# Altium PCB 小车PCB.PcbDoc (part 4 of 4) (continued)
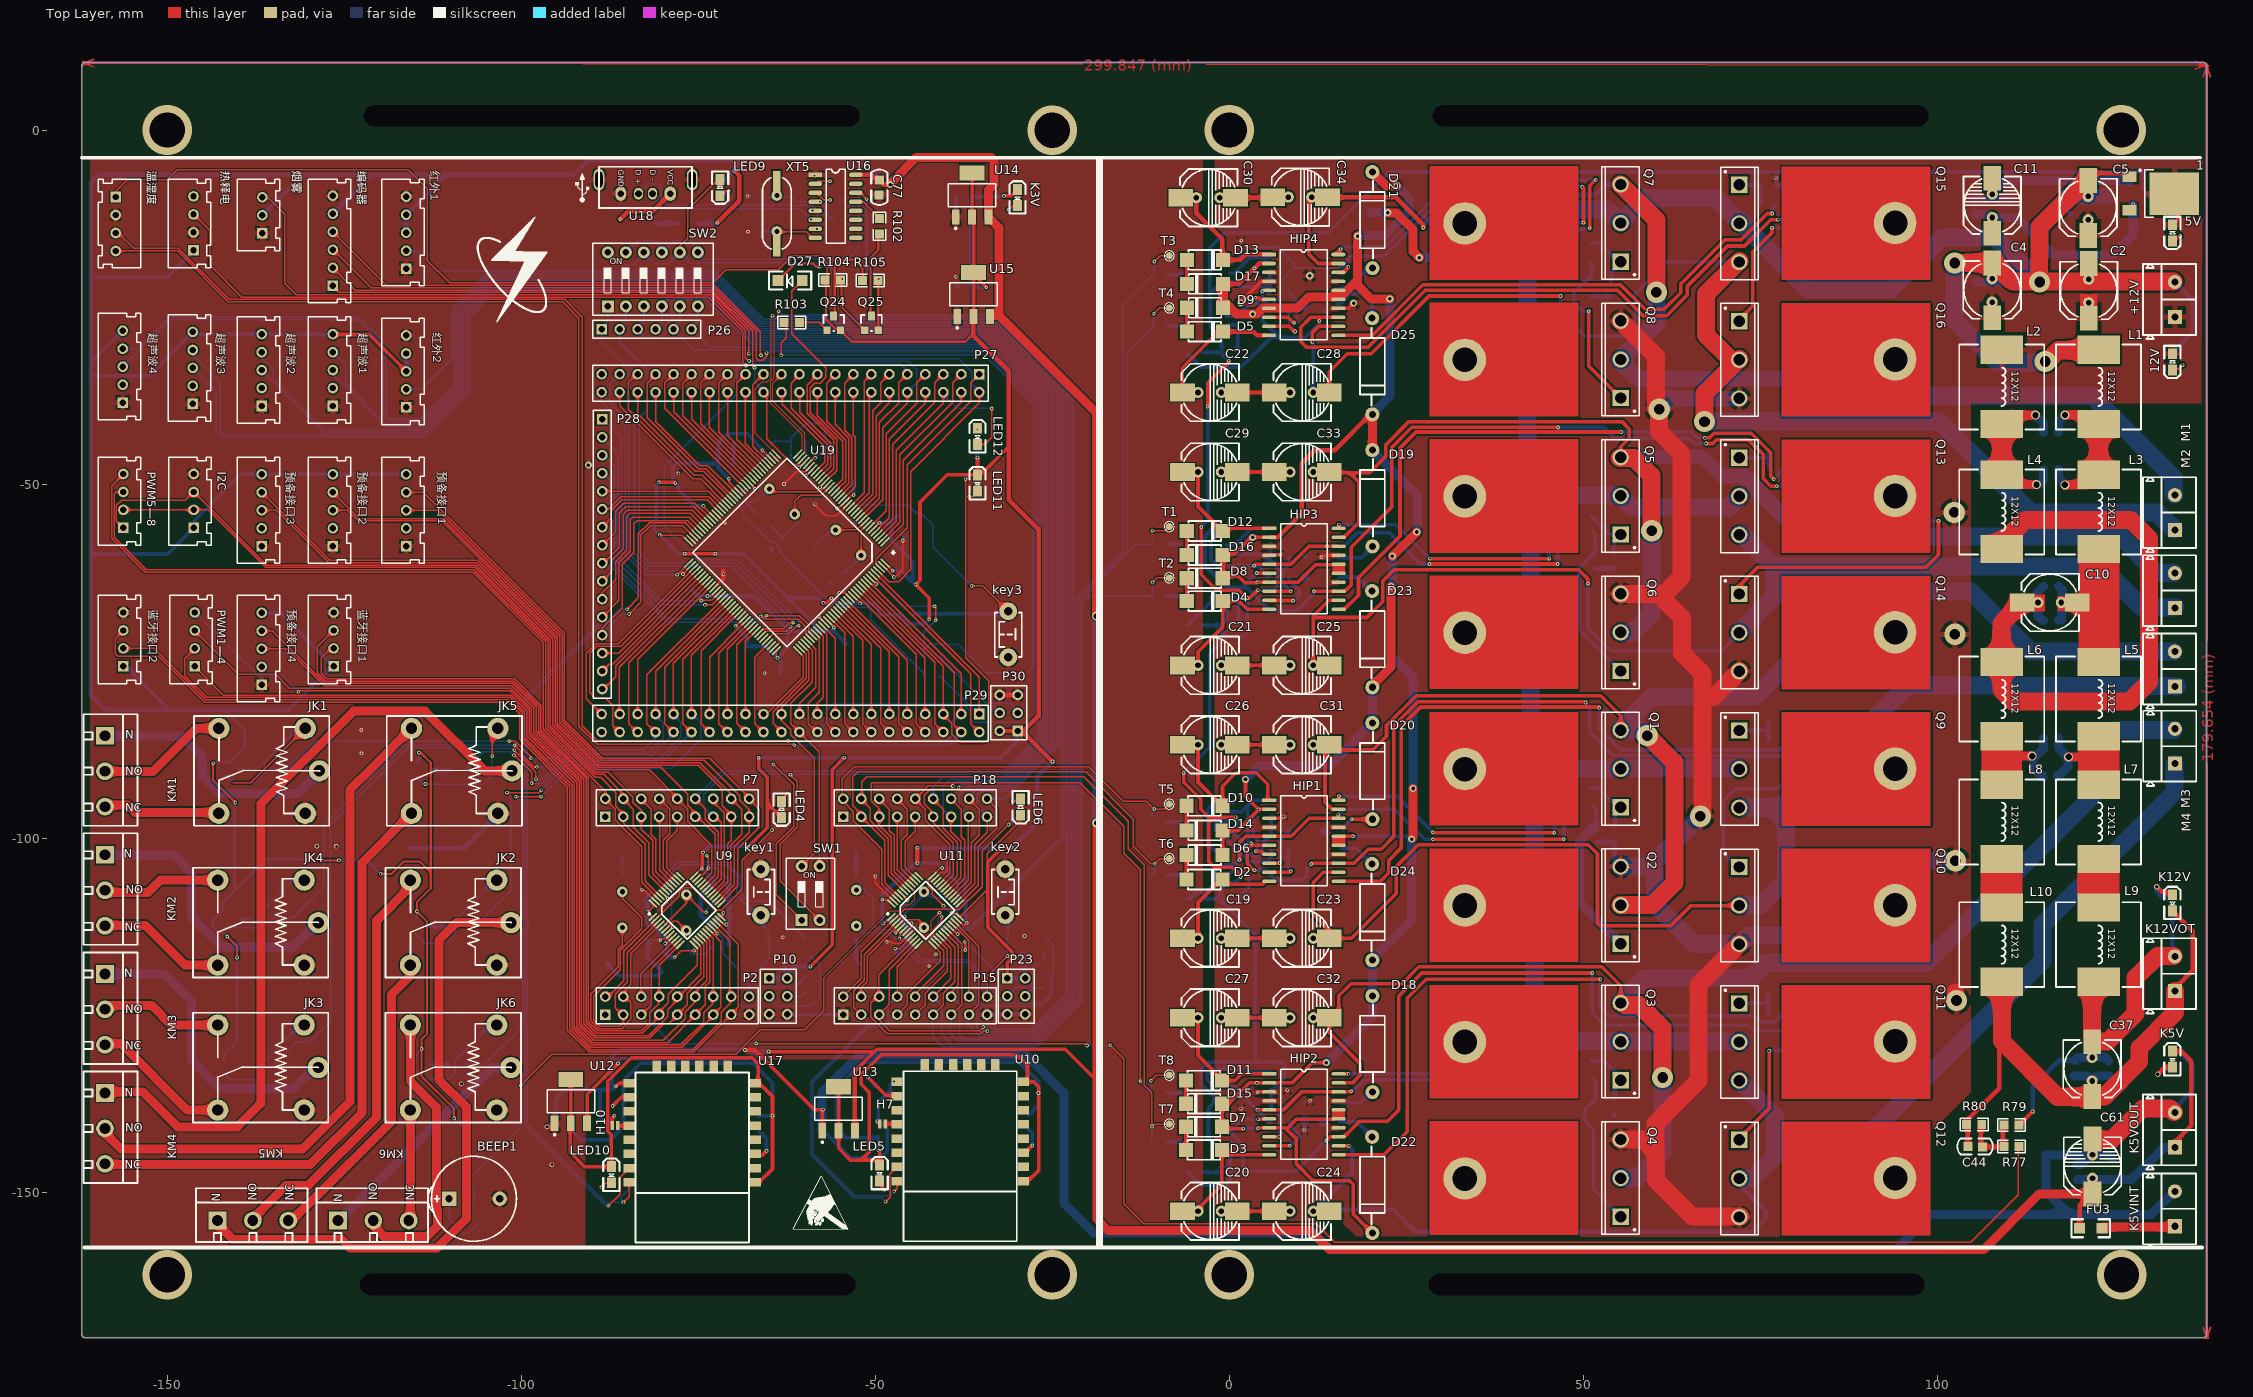
[diagram p0: Top Layer view]
## Nets (pads, with @x,y where several pads share a name; then routed paths per layer and width w, separated by ;. In a path a pad name is that pad's centre, name@x,y a point inside that pad or via, vN(x,y) a via of type N, cw(c..) or ccw(c..) an arc to the next point about the centre after c; other vN are vias at no path point) (continued)
  other v1: -48.895,-111.989 -39.167,-110.465 -24.968,-89.103
VCC5V: C61.1 C62.2 C63.2 C76.1 C77.1 FU3.2 FU4.1 K5V.1 K5VOUT.1 P1.1 P3.5 P4.5 P5.5 P6.5 P8.1 P9.1 P13.5 P14.5 P16.5 P17.5 P19.1 P20.3 P20.4 P21.3 P21.4 P22.2 P24.5@-126.594,-11.747 Q17.2 Q18.2 Q19.2 Q20.2 Q21.2 Q22.2 Q23.2 R99.2 U12.3 U13.3 U14.3 U15.3 U16.16 | length 1035.3
  Top Layer w0.203: C77.1@-49.378,-6.833 -49.225,-6.985 C77.1@-49.327,-6.985
  Top Layer w0.305: v1(-143.485,-89.332) -143.51,-89.357 -143.51,-91.745 v1(-140.36,-94.894) ; v1(-141.503,-113.817) -140.132,-115.189 v1(-140.132,-116.789) ; v1(-128.397,-102.921) -128.245,-103.073 v1(-125.73,-103.073) ; v1(-119.863,-104.978) -118.339,-104.978 -116.561,-103.2 -114.351,-103.2 -112.776,-104.775 ; v1(-114.452,-87.833) -114.224,-87.833 -112.776,-89.281 -112.776,-104.775 ; v1(-109.474,-139.522) -109.474,-138.125 -114.071,-133.528 v1(-114.071,-129.667) -114.071,-128.346 -113.284,-127.559 -113.284,-111.735 v1(-114.732,-110.287) -114.732,-108.966 -112.776,-107.01 -112.776,-104.775
  Top Layer w0.508: P13.5@-126.441,-28.677 -126.314,-28.804 -121.457,-28.804 P21.3@-116.25,-34.011 ; U12.3@-90.694,-140.193 -90.694,-136.109 v1(-86.335,-131.75) ; v1(-65.075,-130.048) -65.075,-130.099 -50.14,-130.099 ; -52.873,-132.832 -50.14,-130.099 ; -18.923,-133.985 -18.923,-133.96 -23.165,-129.718 -49.759,-129.718 -50.14,-130.099
  Top Layer w0.635: v1(-72.314,-13.03) -69.19,-9.906 -69.19,-6.35 v1(-69.875,-5.664) ; U13.3@-52.873,-141.235 -52.873,-132.832 ; U16.16@-52.222,-6.223 -50.597,-6.223 -49.835,-6.985 C77.1@-49.479,-6.985 ; C77.1@-49.428,-6.985 C77.1@-49.479,-6.985 ; v2@-47.816,-7.531 -47.904,-7.62 -48.844,-7.62 C77.1@-49.479,-6.985 ; FU3.2@120.066,-155.016 120.066,-151.841 C61.1@121.74,-150.167 ; K5V.1@133.172,-130.048 134.493,-130.048 135.865,-131.42 135.865,-140.513 K5VOUT.1@133.35,-143.027
  Top Layer w1.27: v2@-47.828,-7.417 -44.196,-3.785 -33.63,-3.785 -33.249,-4.166 -33.249,-7.62 -34.027,-8.399 U14.3@-34.027,-12.203 -32.537,-13.693 -32.537,-26.086 ; U15.3@-33.477,-26.086 -32.537,-26.086 ; v8(-18.771,-68.58) -18.771,-42.24 ; -18.771,-42.189 -18.771,-39.853 -32.537,-26.086 ; -18.72,-134.163 -18.72,-153.695 -17.069,-155.346 11.455,-155.346 14.148,-158.039 106.528,-158.039 114.399,-150.167 C61.1@121.74,-150.167 ; -18.72,-134.137 v8@-18.72,-97.942
  Top Layer w2.54: C61.1@121.74,-150.167 C61.1@121.895,-150.167
  Bottom Layer w0.305: P9.1@-155.987,-75.483 P9.1@-155.55,-75.921 ; v1(-143.485,-89.332) -143.307,-89.154 Q18.2@-142.265,-89.154 ; Q21.2@-142.316,-110.338 -143.612,-111.633 -143.612,-112.319 -142.672,-113.259 -142.062,-113.259 v1(-141.503,-113.817) ; Q21.2@-142.164,-110.367 -142.164,-109.042 -140.462,-107.34 ; Q18.2@-142.088,-89.234 -141.202,-89.234 -139.04,-87.071 -139.04,-84.684 -141.859,-81.864 ; Q20.2@-141.986,-131.246 -141.986,-130.505 -140.157,-128.676 -140.157,-116.815 v1(-140.132,-116.789) ; v1(-140.36,-94.894) -140.462,-94.996 -140.462,-107.34 ; v1(-128.397,-102.921) -128.372,-102.895 -136.017,-102.895 -140.462,-107.34 ; v1(-125.73,-103.073) -121.768,-103.073 v1(-119.863,-104.978) ; Q19.2@-114.859,-111.227 -114.732,-111.1 v1(-114.732,-110.287) ; Q22.2@-114.757,-89.23 -114.452,-88.925 v1(-114.452,-87.833) ; Q23.2@-114.732,-130.886 -114.732,-130.327 v1(-114.071,-129.667) ; v1(-109.474,-139.522) -108.153,-140.843 -108.153,-151.841 -107.576,-152.418 Q17.2@-107.576,-153.746
  Bottom Layer w0.508: -160.757,-59.792 -149.932,-59.792 P1.1@-146.255,-56.114 ; -160.706,-34.62 -152.564,-34.62 P14.5@-146.379,-28.435 ; -160.706,-34.087 -160.706,-32.686 P16.5@-156.277,-28.258 ; -160.655,-20.599 -160.553,-20.701 -149.987,-20.701 P19.1@-146.304,-17.018 ; P9.1@-155.55,-75.921 -149.657,-81.813 ; P14.5@-146.583,-28.194 -146.037,-28.74 P17.5@-136.65,-28.74 P13.5@-126.594,-28.74 ; P1.1@-146.101,-55.804 -146.101,-55.02 -145.124,-54.043 -145.124,-54.039 -139.624,-48.539 P4.5@-136.65,-48.539 ; P5.5@-136.601,-68.174 -136.532,-68.105 -134.061,-68.105 P8.1@-126.525,-75.641 ; P4.5@-136.423,-48.312 -136.195,-48.539 P6.5@-126.594,-48.539 P3.5@-116.25,-48.539 ; -132.842,-81.813 -126.67,-75.641 P8.1@-126.525,-75.641 ; P8.1@-126.494,-75.672 P8.1@-126.525,-75.641 ; P21.3@-116.789,-34.138 -116.256,-33.604 P21.4@-116.256,-31.483 ; v1(-86.335,-131.75) -85.649,-131.064 -67.945,-131.064 -66.929,-130.048 v1(-65.075,-130.048)
  Bottom Layer w0.635: P22.2@-136.55,-11.967 -130.959,-6.375 -130.708,-6.375 ; -132.842,-81.813 -149.657,-81.813 -158.699,-81.813 -160.757,-79.756 -160.757,-59.792 -160.757,-7.29 -159.741,-6.274 -110.566,-6.274 ; P24.5@-126.594,-11.747 -121.221,-6.375 -121.209,-6.375 ; P20.4@-116.256,-11.887 -116.256,-14.249 P20.3@-116.002,-14.503 ; P20.4@-116.205,-11.913 -110.566,-6.274 ; -90.678,-4.318 -92.634,-6.274 -110.566,-6.274 ; -90.678,-4.28 -68.669,-4.28 ; FU4.1@-74.828,-13.081 -72.365,-13.081 v1(-72.314,-13.03) ; R99.2@-71.882,-7.01 -71.399,-7.01 -68.669,-4.28 ; v2(-47.879,-7.62) -48.743,-7.62 -52.451,-3.912 -68.301,-3.912 -68.669,-4.28 ; C61.1@122.047,-147.803 C61.1@122.048,-147.804
  Bottom Layer w1.27: v8(-18.771,-68.58) -18.745,-68.605 v8(-18.745,-97.79) ; C63.2@119.761,-148.107 C62.2@124.638,-148.107 127.457,-148.107 131.928,-143.637 K5VOUT.1@133.604,-143.637
VDDA: C92.2 C93.2 H11.2 R112.1 U19.33 | length 14
  Top Layer w0.203: v1(-60.757,-47.574) -60.477,-47.295 U19.33@-60.427,-47.295
  Bottom Layer w0.203: R112.1@-64.745,-44.374 -64.262,-43.891 C92.2@-61.9,-43.891 ; v1(-60.757,-47.574) -60.987,-47.574 C93.2@-61.927,-46.634 -61.927,-44.046 -61.773,-43.891 C92.2@-61.9,-43.891 ; H11.2@-57.201,-41.3 -59.741,-41.3 -61.9,-43.459 C92.2@-61.9,-43.891
VREF+: C94.2 H11.1 U19.32 | length 6.2
  Top Layer w0.203: U19.32@-59.131,-46.685 -58.674,-46.228 v1(-58.496,-46.228)
  Bottom Layer w0.203: v1(-58.496,-46.228) C94.2@-56.312,-44.044 ; H11.1@-57.048,-42.037 -57.048,-43.485 C94.2@-56.464,-44.069
公共: JK1.3 JP1.1 | length 36.6
  Bottom Layer w1.27: JP1.1@-158.775,-85.475 -148.027,-85.475 -144.983,-88.519 -144.983,-91.211 -142.596,-93.599 -131.47,-93.599 JK1.3@-128.397,-90.526
公共1: JK4.3 JP4.1 | length 40.6
  Bottom Layer w1.27: JP4.1@-158.775,-102.29 -149.094,-102.29 -146.533,-104.851 -146.533,-111.074 -142.316,-115.291 -132.182,-115.291 JK4.3@-128.651,-111.76
公共2: JK3.3 JP2.1 | length 42.5
  Bottom Layer w1.27: JP2.1@-158.775,-119.104 -150.415,-119.104 -146.558,-122.961 -146.558,-131.318 -142.596,-135.28 -132.207,-135.28 JK3.3@-129.108,-132.182
公共3: JK5.3 JP5.1 | length 112.7
  Top Layer w1.27: JP5.1@-158.826,-135.738 -153.467,-135.738 -148.514,-140.691 -140.081,-140.691 -136.779,-137.389 -136.779,-94.996 -136.728,-95.047 -136.728,-95.504 ; -136.677,-94.996 -123.673,-81.991 -113.614,-81.991 -105.181,-90.425 JK5.3@-101.294,-90.425
公共4: JK2.3 JP3.1 | length 90.5
  Top Layer w1.27: JP3.1@-142.951,-154.381 -140.741,-156.591 -125.349,-156.591 -124.13,-157.81 -111.912,-157.81 -107.721,-153.619 -107.721,-137.922 -111.633,-134.01 -111.633,-114.351 -109.139,-111.857 JK2.3@-101.446,-111.857
公共5: JK6.3 JP6.1 | length 33.2
  Bottom Layer w1.27: JP6.1@-125.654,-153.899 -120.294,-148.539 -120.294,-148.488 -106.528,-134.722 -106.502,-134.722 -104.099,-132.318 JK6.3@-101.446,-132.318
常开: JK1.5 JP1.2 | length 18.7
  Top Layer w1.27: JP1.2@-158.877,-90.5 -151.968,-90.5 -145.893,-84.425 JK1.5@-142.697,-84.425
常开1: JK4.5 JP4.2 | length 16.2
  Top Layer w1.27: JP4.2@-158.369,-107.569 -152.679,-107.569 -150.967,-105.857 JK4.5@-142.85,-105.857
常开2: JK3.5 JP2.2 | length 17.2
  Top Layer w1.27: JP2.2@-158.877,-123.546 -152.171,-123.546 -149.399,-126.318 JK3.5@-142.85,-126.318
常开3: JK5.5 JP5.2 | length 94.7
  Top Layer w1.27: JP5.2@-158.852,-141.503 -156.54,-143.815 -130.861,-143.815 -124.181,-137.135 -124.181,-93.116 -121.036,-89.972 -121.036,-89.967 JK5.5@-115.494,-84.425
常开4: JK2.5 JP3.2 | length 58.2
  Top Layer w1.27: JP3.2@-137.439,-153.187 -133.198,-148.946 -130.048,-148.946 -120.421,-139.319 -120.421,-111.582 -115.646,-106.807 JK2.5@-115.646,-105.857
常开5: JK6.5 JP6.2 | length 40.7
  Top Layer w1.27: JP6.2@-121.209,-154.381 -119.431,-156.159 -113.284,-156.159 -111.836,-154.711 -111.836,-152.436 -111.963,-152.309 -111.963,-137.922 -115.646,-134.239 JK6.5@-115.646,-126.318
常闭: JK1.4 JP1.3 | length 16.1
  Top Layer w1.27: JP1.3@-158.369,-95.275 -155.524,-95.275 -154.508,-96.291 -142.831,-96.291 JK1.4@-142.697,-96.425
常闭1: JK4.4 JP4.3 | length 18
  Top Layer w1.27: JP4.3@-158.572,-112.243 -153.086,-112.243 -147.471,-117.857 JK4.4@-142.85,-117.857
常闭2: JK3.4 JP2.3 | length 19.3
  Top Layer w1.27: JP2.3@-158.267,-128.93 -156.515,-128.93 -147.127,-138.318 JK3.4@-142.85,-138.318
常闭3: JK5.4 JP5.3 | length 84.6
  Top Layer w1.27: JP5.3@-158.852,-145.999 -129.794,-145.999 -122.479,-138.684 -122.479,-103.41 JK5.4@-115.494,-96.425
常闭4: JK2.4 JP3.3 | length 42.5
  Top Layer w1.27: JP3.3@-131.978,-153.492 -129.794,-151.308 -129.692,-151.308 -118.339,-139.954 -118.339,-122.072 -115.646,-119.38 JK2.4@-115.646,-117.857
常闭5: JK6.4 JP6.3 | length 15.9
  Top Layer w1.27: JP6.3@-116.078,-154.076 -115.646,-153.645 JK6.4@-115.646,-138.318
控地: 2.1 BEEP1.2 C39.1 C40.1 C41.1 C42.1 C43.1 C45.2 C46.1 C47.1 C48.1 C49.1 C50.1 C51.1 C52.1 C53.1 C54.1 C55.1 C56.1 C57.1 C58.2 C59.1 C60.1 C61.2 C62.1 C63.1 C64.1 C65.1 C66.1 C67.1 C68.1 C69.1 C70.1 C71.1 C72.2 C73.1 C74.1 C75.1 C76.2 C77.2 C78.1 C79.1 C80.1 C81.1 C82.1 C83.2 C84.1 C85.1 C86.1 C87.1 C88.1 C89.1 C90.1 C91.1 C94.1 C95.1 C96.2 H7.1 H10.1 HTU1.2 JK1.1 JK2.1 JK3.1 JK4.1 JK5.1 JK6.1 K5VINT.2 K5VOUT.2 key1.2 key2.2 key3.2 P1.4 P2.17 P3.1 P4.1 P5.1 P6.1 P8.4 P9.4 P10.5 P10.6 P13.1 P14.1 P15.1 P15.17 P16.1 P17.1 P19.2 P20.1 P20.5 P21.1 P21.5 P22.1 P23.5 P23.6 P24.5@-126.594,-9.207 P30.5 P30.6 R84.1 R91.1 R92.1 R107.1 U1.3 U2.3 U3.3 U4.3 U5.3 U6.3 U7.3 U8.3 U9.8 U9.23 U9.35 U9.47 U10.15 U11.8 U11.23 U11.35 U11.47 U12.1 U13.1 U14.1 U15.1 U16.1 U17.15 U18.4 U18.5 U18.6 U19.16 U19.31 U19.38 U19.51 U19.61 U19.71 U19.83 U19.94 U19.107 U19.120 U19.130 U19.143 | length 495.1
  Top Layer w0.203: v1(-82.982,-107.188) -82.684,-107.188 U9.47@-81.066,-108.806 ; v1(-80.366,-114.351) -80.137,-114.122 -79.524,-114.122 U9.8@-78.945,-113.543 ; U19.71@-75.973,-57.739 -75.292,-58.42 ; U9.35@-75.268,-105.624 -74.724,-105.08 -74.552,-105.08 -74.552,-105.077 -74.422,-105.077 ; -74.368,-105.077 -73.533,-104.242 -73.533,-104.191 v1(-73.558,-104.165) -73.558,-102.641 v1(-73.787,-102.413) ; U19.61@-72.437,-54.204 -71.269,-55.372 v1@-71.247,-55.372 ; U19.83@-72.365,-64.135 -71.493,-63.263 -71.45,-63.263 ; U9.23@-72.086,-111.422 -71.392,-112.116 v1(-71.018,-112.116) ; v1@-71.247,-55.394 v1(-71.244,-55.394) ; v1@-67.996,-9.246 v1@-67.92,-9.246 ; U19.107@-64.846,-73.609 -64.326,-73.089 U19.107@-64.306,-73.089 ; v1@-62.89,-49.886 -62.865,-49.886 -61.163,-48.184 -59.907,-48.184 U19.31@-59.209,-47.486 U19.31@-59.218,-47.486 ; v1(-58.572,-6.375) U16.1@-58.522,-6.325 ; v1@-58.522,-52.832 -56.972,-54.381 -55.498,-54.381 U19.16@-53.906,-52.789 ; v1(-57.988,-68.631) U19.120@-57.48,-69.139 ; v1(-55.067,-65.303) -54.28,-65.303 U19.130@-54.153,-65.43 ; U19.130@-54.146,-65.424 U19.130@-53.552,-66.018 ; v1(-49.987,-105.308) -49.987,-106.204 U11.47@-47.386,-108.806 ; U19.143@-48.956,-61.422 v1@-47.462,-62.916 ; v1(-48.387,-114.579) -48.336,-114.529 -47.752,-114.529 -47.523,-114.757 -46.479,-114.757 U11.8@-45.265,-113.543 ; v1(-47.371,-63.043) -47.371,-63.085 -47.295,-63.161 -47.295,-63.083 v1@-47.462,-62.916 ; v1(-46.126,-57.887) -46.126,-62.001 -47.041,-62.916 v1@-47.462,-62.916 ; U11.35@-41.588,-105.624 -40.688,-104.724 -40.005,-104.724 -39.802,-104.521 -39.802,-102.743 -39.903,-102.641 v1(-39.929,-102.641) ; U11.23@-38.406,-111.422 -37.661,-112.166 -37.363,-112.166 v1(-37.084,-111.887) ; P15.17@-34.239,-124.866 P15.17@-34.214,-124.841
  Top Layer w0.305: v1(-63.043,-113.919) v1@-63.043,-113.843 ; v1(-37.338,-114.554) -37.287,-114.503 v1(-37.287,-115.722)
  Top Layer w0.508: H10.1@-87.122,-140.538 -87.122,-139.421 v1(-86.843,-139.141) ; v1(-86.639,-134.95) -86.611,-134.95 -86.181,-134.52 U17.15@-84.742,-134.52 ; v1(-68.402,-129.845) -67.005,-129.845 -58.598,-138.252 v1@-57.455,-138.252 ; v1@-67.996,-14.275 v1(-67.97,-14.3) ; P2.17@-67.818,-124.841 P2.17@-67.767,-124.79 ; U13.1@-57.473,-141.235 v1@-57.473,-138.271 ; v1(-49.733,-139.878) H7.1@-49.352,-140.259 ; U15.1@-38.627,-25.914 U15.1@-38.252,-26.289 ; P23.6@-28.829,-124.79 P23.6@-28.829,-124.689
  Top Layer w0.635: P17.1@-137.046,-38.595 P17.1@-136.601,-39.04 ; v6@-126.111,-101.067 v6(-126.086,-101.092) ; v1(-122.58,-84.658) v1@-122.555,-84.658 ; P21.1@-116.548,-38.9 P21.1@-116.332,-39.116 ; P21.1@-116.25,-39.091 P21.1@-115.722,-39.091 ; v6(-96.368,-140.691) -95.174,-140.691 U12.1@-95.047,-140.818 ; -71.45,-63.263 v1(-71.45,-62.636) -71.45,-62.179 ; P30.6@-32.563,-79.781 -32.487,-79.705 P30.6@-32.436,-79.705 P30.5@-29.896,-79.705
  Top Layer w2.54: C61.2@121.971,-142.519 124.587,-142.519 128.999,-138.107 132.875,-138.107 K5VOUT.2@133.401,-138.633
  Bottom Layer w0.203: C49.1@-81.94,-114.173 -81.763,-114.351 v1(-80.366,-114.351) ; v1(-73.558,-104.165) -72.365,-104.165 C47.1@-70.891,-105.639 ; C78.1@-56.311,-64.008 -56.21,-64.008 C78.1@-56.185,-64.008 ; v1(-49.987,-105.308) -49.174,-105.308 C59.1@-49.149,-105.334 ; C55.1@-48.496,-114.445 -48.496,-114.47 v1(-48.387,-114.579) ; v1(-47.371,-63.043) -47.371,-63.204 C82.1@-46.974,-63.602 ; C91.1@-46.457,-56.566 -46.126,-56.896 v1(-46.126,-57.887) ; C83.2@-43.764,-56.49 C83.2@-43.713,-56.49 ; v1(-39.929,-102.641) v1@-39.903,-102.641
  Bottom Layer w0.305: v1(-63.043,-113.919) C45.2@-62.941,-113.919 ; C54.1@-54.737,-117.653 C54.1@-54.737,-117.272
  Bottom Layer w0.508: v6(-96.368,-140.691) -95.707,-140.03 C65.1@-95.021,-140.03 ; C65.1@-95.047,-139.852 C64.1@-95.047,-137.363 -95.047,-136.703 -93.802,-135.458 R107.1@-87.3,-135.458 ; -88.875,-135.509 -88.875,-139.294 -87.884,-140.284 C74.1@-87.325,-140.284 ; C40.1@-87.935,-117.653 -86.258,-119.329 -80.569,-119.329 C43.1@-80.162,-118.923 ; C74.1@-87.554,-140.208 -87.554,-139.852 v1(-86.843,-139.141) ; R107.1@-87.173,-135.357 -87.173,-130.759 -86.131,-129.718 -68.428,-129.718 -68.428,-129.819 v1(-68.402,-129.845) ; R107.1@-86.995,-135.357 -86.589,-134.95 v1(-86.639,-134.95) ; -86.919,-8.915 U18.4@-85.945,-8.915 ; C49.1@-82.118,-114.351 -82.118,-116.764 C43.1@-80.061,-118.821 ; v1(-77.8,-48.412) v1@-77.749,-48.412 ; C87.1@-70.079,-46.99 -70.002,-46.914 C96.2@-70.002,-44.069 ; v1(-67.996,-9.296) C73.1@-67.92,-9.22 ; P10.6@-62.459,-124.816 -62.433,-124.841 P15.1@-54.534,-124.841 ; C67.1@-57.531,-141.097 -57.531,-141.122 C67.1@-57.404,-141.249 ; C67.1@-57.48,-141.072 -53.518,-145.034 -49.2,-145.034 -48.311,-144.145 -48.311,-140.919 C48.1@-49.149,-140.081 ; C94.1@-56.54,-46.177 C94.1@-56.312,-46.177 ; C48.1@-49.784,-140.157 -49.606,-139.979 -49.606,-137.287 -47.879,-135.56 -47.879,-134.798 v1(-47.371,-134.29) ; C48.1@-49.784,-139.878 v1(-49.733,-139.878) ; C76.2@-49.378,-9.068 C76.2@-49.022,-9.423 ; C69.1@-38.583,-12.167 -38.583,-9.5 C68.1@-38.405,-9.322 ; C71.1@-38.354,-21.996 -38.303,-22.047 C71.1@-38.303,-22.073 ; C71.1@-38.202,-22.123 C71.1@-38.303,-22.225 ; C57.1@-37.49,-111.531 -37.262,-111.303 C51.1@-37.262,-108.67 ; C51.1@-37.313,-108.229 C60.1@-37.313,-105.385 ; C51.1@-37.262,-108.61 C51.1@-37.236,-108.636 ; P15.17@-34.214,-124.841 P23.5@-31.42,-124.841 ; P23.5@-31.369,-124.79 P23.6@-28.829,-124.79 -28.778,-124.79 P23.6@-28.753,-124.816 ; R91.1@-29.921,-8.433 R91.1@-29.921,-8.357 ; U2.3@-6.185,-96.19 U2.3@-5.461,-96.19 ; U8.3@-5.664,-26.162 U8.3@-5.639,-26.162 ; U5.3@-5.461,-57.226 U5.3@-5.41,-57.226 ; U6.3@-5.385,-64.465 -6.109,-64.465 U6.3@-6.159,-64.516 U6.3@-5.309,-64.516 ; C71.1@-38.583,-21.946 C71.1@-38.303,-22.225 ; C71.1@-38.583,-21.946 C71.1@-38.583,-21.793 ; C71.1@-38.583,-21.946 -38.608,-21.92 -38.608,-21.768 C71.1@-38.583,-21.793 ; C71.1@-38.583,-21.793 C71.1@-38.303,-22.073 ; C71.1@-38.303,-22.225 C71.1@-38.303,-22.073
  Bottom Layer w0.635: P14.1@-146.52,-38.417 P14.1@-146.431,-38.506 ; P14.1@-146.279,-38.506 P14.1@-146.255,-38.53 ; P5.1@-136.668,-78.257 P5.1@-136.65,-78.257 ; v6@-128.956,-101.067 v6(-128.854,-101.067) ; P6.1@-126.771,-58.699 P6.1@-126.568,-58.903 ; P6.1@-126.494,-59.311 P6.1@-126.238,-59.055 ; P3.1@-116.789,-58.699 P3.1@-116.586,-58.903 ; -115.824,-101.371 -108.026,-101.371 JK5.1@-103.556,-96.901 ; U18.6@-89.344,-6.896 U18.6@-89.179,-7.061 ; C40.1@-87.808,-117.678 C40.1@-87.655,-117.831 ; C47.1@-70.714,-106.02 -70.714,-108.814 C41.1@-70.663,-108.864 C46.1@-70.663,-112.039 ; C42.1@-70.663,-114.833 -70.663,-114.884 C42.1@-70.561,-114.986 ; C46.1@-70.663,-112.116 -70.663,-114.757 C42.1@-70.612,-114.808 ; C95.1@-64.719,-59.207 C95.1@-64.719,-59.003 ; C78.1@-56.21,-64.008 C78.1@-56.199,-64.018 ; R92.1@133.172,-130.226 134.29,-130.226 136.042,-131.978 136.042,-135.484 K5VOUT.2@133.502,-138.024
  Bottom Layer w1.27: C67.1@-57.531,-141.097 C66.1@-57.531,-138.328 -57.531,-135.825 -52.288,-130.581 -28.702,-130.581 -23.368,-135.915 -23.368,-151.46 -19.126,-155.702 11.989,-155.702 14.326,-158.039 94.082,-158.039 99.06,-153.06 118.593,-153.06 ; C63.1@119.71,-146.025 120.371,-146.025 C61.2@121.717,-144.678 ; 124.663,-145.161 124.181,-144.678 C61.2@121.717,-144.678 ; K5VINT.2@133.35,-149.918 130.208,-153.06 118.593,-153.06 ; 118.593,-153.06 115.316,-149.784 115.316,-144.678 C61.2@121.717,-144.678
  other v1: -57.379,-138.252 -42.367,-118.008 -41.427,-116.307 -28.931,-113.741 -122.555,-87.935 -65.634,-76.632 -58.522,-52.756 -62.89,-49.911 -38.608,-20.65
  other v2: -90.5,-47.244
  other v6: -95.656,-146.025 -108.433,-134.62
pads on no net: P2.1 P3.2 P4.2 P5.2 P6.2 P7.1 P13.2 P14.2 P16.2 P17.2 P18.1 P19.4 P27.43 P29.44 Q1.4 Q2.4 Q3.4 Q4.4 Q5.4 Q6.4 Q7.4 Q8.4 Q9.4 Q10.4 Q11.4 Q12.4 Q13.4 Q14.4 Q15.4 Q16.4 U1.1 U1.4 U2.1 U2.4 U3.1 U3.4 U4.1 U4.4 U5.1 U5.4 U6.1 U6.4 U7.1 U7.4 U8.1 U8.4 U9.34 U9.37 U10.2 U10.4 U10.5 U10.6 U10.7 U10.9 U10.10 U10.11 U10.12 U10.13 U10.14 U10.17 U10.19 U10.20 U11.34 U11.37 U16.9 U16.10 U16.11 U16.12 U16.15 U17.2 U17.4 U17.5 U17.6 U17.7 U17.9 U17.10 U17.11 U17.12 U17.13 U17.14 U17.17 U17.19 U17.20 U19.103 U19.106
copper on no net: | length 468.6
  Top Layer w0.127: 84.947,-70.856 94.031,-70.856
  Top Layer w0.254: -161.9,9.271 -161.899,9.779 ; -160.376,9.015 -161.9,9.525 ; -160.375,10.031 -161.9,9.525 ; -20.762,9.382 -161.9,9.525 ; -3.19,9.364 137.947,9.22 ; 136.423,8.714 137.947,9.22 ; 136.424,9.73 137.947,9.22 ; 137.541,-169.012 138.049,-170.536 ; 137.541,7.595 138.049,9.119 ; 137.795,-170.536 138.303,-170.536 ; 137.795,9.119 138.303,9.119 ; 137.947,8.966 137.948,9.474 ; 138.049,-89.367 138.049,-170.536 ; 138.049,-72.05 138.049,9.119 ; 138.557,-169.012 138.049,-170.536 ; 138.557,7.595 138.049,9.119
  other v4: -25.001,-161.595 -149.987,-161.569 -0.001,-161.569 125.999,-161.569 -25.027,0.051 -150.012,0.076 -0.027,0.076 125.973,0.076

## Polygon pours and split planes (outlines as drawn)
控地 on Bottom Layer "AutoNaming" (solid, remove dead copper, pour order 36): -3.461,-3.955 -3.461,-157.803 -23.146,-157.803 -23.197,-157.752 -22.969,-157.524 -22.969,-137.661 -22.969,-135.146 -28.887,-129.228 -28.938,-129.279 -86.164,-129.279 -86.24,-129.279 -92.158,-135.197 -92.209,-135.248 -92.209,-157.575 -160.738,-157.575 -160.738,-3.955
GND on Bottom Layer "AutoNaming" (solid, remove dead copper, pour order 34): 137.614,-3.712 137.614,-38.282 137.385,-38.51 137.284,-38.409 105.102,-38.409 105.102,-135.64 99.565,-141.177 99.59,-141.202 99.59,-151.235 98.727,-151.235 93.697,-156.265 14.83,-156.265 12.417,-153.852 12.367,-153.801 -1.68,-153.801 -1.68,-8.97 3.35,-3.941
控地 on Top Layer "AutoNaming" (solid, remove dead copper, pour order 30): -160.849,-3.998 -160.849,-157.997 -86.529,-157.997 -89.754,-157.972 -90.923,-157.997 -90.923,-144.815 -90.923,-137.398 -86.021,-131.226 -85.919,-131.124 -64.354,-131.124 -26.483,-131.124 -26.356,-130.997 -26.686,-131.327 -26.686,-157.845 -4.029,-157.845 -3.877,-157.997 -3.725,-157.845 -3.725,-4.099
GND on Top Layer "AutoNaming" (solid, remove dead copper, pour order 28): 137.437,-4.099 3.884,-4.099 -2.057,-4.099 -2.057,-9.481 -2.057,-157.769 136.624,-157.769 136.599,-157.744 10.005,-157.744 7.262,-157.744 2.919,-153.4 3.681,-154.162 15.619,-154.162 15.923,-154.162 17.981,-156.22 18.032,-156.169 99.185,-156.22 99.185,-141.335 103.299,-137.221 104.696,-135.824 104.696,-38.491 133.957,-38.491 137.268,-38.491 137.285,-35.163

## Keep-outs
Keep-Out Layer:
  lines w0.127: -162.027,9.141 -162.027,-170.009 ccw(c-161.562,-169.966) -161.519,-170.431 ; -162.024,9.058 cw(c-161.559,9.101) -161.602,9.566 137.573,9.566 ; -161.519,-170.434 137.548,-170.434 ccw(c137.505,-169.969) 137.97,-169.926 ; 137.973,-170.034 137.973,9.144

## Other copper
Top Layer:
  rectangle net +12V: 113.106,-20.422 115.595,-18.161
  rectangle net F12V: 14.478,-100.965 16.383,-99.67
  rectangle net F12V: 14.503,-139.522 16.358,-138.455
  rectangle net F12V: 14.58,-62.56 16.332,-61.366
  region net +12V: 122.707,-22.352 122.707,-20.142 120.015,-20.142 120.015,-22.352
  rectangle net NetC10_1: 113.665,-67.92 115.189,-65.507
  rectangle net NetC10_2: 116.967,-67.843 118.339,-65.761
  rectangle net NetC10_2: 119.939,-73.508 125.679,-60.884
  rectangle net NetC16_2: 119.863,-90.805 125.705,-87.173
  rectangle net NetC16_1: 106.223,-90.856 111.963,-87.452
  rectangle net NetL8_2: 106.096,-108.255 112.039,-104.572
  rectangle net NetL7_2: 119.71,-108.026 125.73,-104.851
  region net GND: 122.606,-24.816 122.606,-23.114 120.117,-23.114 120.117,-24.816
  text "299.847 (mm)" at -20.509,8.467 h1.52 r359.94
  text "179.654 (mm)" at 138.963,-89.113 h1.52 r90
Bottom Layer:
  rectangle net +12V: 117.373,-10.439 124.689,-8.204
  pour cut-out: 37.059,-9.233 37.059,-16.929 29.489,-16.929 29.489,-9.233
  pour cut-out: 37.059,-28.512 37.059,-36.208 29.489,-36.208 29.489,-28.511
  pour cut-out: 37.059,-47.79 37.059,-55.486 29.489,-55.486 29.489,-47.79
  pour cut-out: 37.059,-67.043 37.059,-74.74 29.489,-74.74 29.489,-67.043
  pour cut-out: 37.059,-86.297 37.059,-93.993 29.489,-93.993 29.489,-86.296
  pour cut-out: 37.084,-105.575 37.084,-113.271 29.515,-113.271 29.515,-105.575
  pour cut-out: 37.059,-124.854 37.059,-132.55 29.489,-132.55 29.489,-124.854
  pour cut-out: 37.059,-144.107 37.059,-151.803 29.489,-151.803 29.489,-144.107
  pour cut-out: 97.841,-144.056 97.841,-151.752 90.272,-151.752 90.272,-144.056
  pour cut-out: 97.841,-124.778 97.841,-132.474 90.272,-132.474 90.272,-124.777
  pour cut-out: 97.841,-105.524 97.841,-113.221 90.272,-113.221 90.272,-105.524
  pour cut-out: 97.841,-86.246 97.841,-93.942 90.272,-93.942 90.272,-86.246
  pour cut-out: 97.841,-66.993 97.841,-74.689 90.272,-74.689 90.272,-66.992
  pour cut-out: 97.841,-47.714 97.841,-55.41 90.272,-55.41 90.272,-47.714
  pour cut-out: 97.841,-28.461 97.841,-36.157 90.272,-36.157 90.272,-28.461
  pour cut-out: 97.841,-9.182 97.841,-16.878 90.272,-16.878 90.272,-9.182

## Silkscreen, mask and mechanical layers (free items; w line width, h text height)
Top Overlay:
  lines w0.5: -162.052,-3.81 137.084,-3.81 ; -161.722,-157.734 137.363,-157.734
  lines w1: -18.313,-157.505 -18.313,-4.115
  text "温湿度" at -153.187,-5.664 h2 r270
  text "热释电" at -142.748,-5.664 h2 r270
  text "烟雾" at -132.715,-5.664 h2 r270
  text "编码器" at -123.52,-5.664 h2 r270
  text "红外1" at -113.182,-5.664 h2 r270
  text "超声波4" at -152.933,-28.55 h2 r270
  text "超声波3" at -143.358,-28.55 h2 r270
  text "超声波2" at -133.477,-28.55 h2 r270
  text "超声波1" at -123.317,-28.55 h2 r270
  text "红外2" at -112.852,-28.55 h2 r270
  text "PWM5—8" at -153.238,-48.184 h2 r270
  text "I2C" at -143.256,-48.184 h2 r270
  text "预备接口3" at -133.502,-48.184 h2 r270
  text "预备接口2" at -123.342,-48.184 h2 r270
  text "预备接口1" at -112.166,-48.184 h2 r270
  text "蓝牙接口2" at -152.933,-67.64 h2 r270
  text "PWM1—4" at -143.332,-67.64 h2 r270
  text "预备接口4" at -133.299,-67.64 h2 r270
  text "蓝牙接口1" at -123.393,-67.64 h2 r270
  text "N" at -155.931,-86.309 h2
  text "NO" at -155.931,-91.44 h2
  text "KM1" at -148.311,-94.844 h2 r90
  text "NC" at -155.931,-96.596 h2
  text "N" at -156.134,-103.149 h2
  text "NO" at -155.88,-108.229 h2
  text "KM2" at -148.336,-111.658 h2 r90
  text "NC" at -155.981,-113.462 h2
  text "N" at -156.058,-119.964 h2
  text "NO" at -155.931,-125.095 h2
  text "KM3" at -148.311,-128.372 h2 r90
  text "NC" at -155.931,-130.251 h2
  text "N" at -156.007,-136.881 h2
  text "NO" at -155.931,-141.834 h2
  text "KM5" at -133.629,-143.434 h2 r180
  text "KM6" at -116.611,-143.51 h2 r180
  text "KM4" at -148.311,-145.186 h2 r90
  text "NC" at -155.981,-147.066 h2
  text "NO" at -119.939,-151.079 h2 r90
  text "NC" at -114.706,-151.105 h2 r90
  text "NO" at -136.931,-151.155 h2 r90
  text "NC" at -131.699,-151.155 h2 r90
  text "N" at -142.088,-151.282 h2 r90
  text "N" at -124.841,-151.333 h2 r90
Top Solder:
  drawing of 2092 lines, arcs and shapes, not listed

## Text inside footprints (layer, text, board x,y; h text height)
L1: Top Overlay "12X12" at 124.15,-33.96 h1 r270
L2: Top Overlay "12X12" at 110.484,-33.96 h1 r270
L3: Top Overlay "12X12" at 124.15,-51.613 h1 r270
L4: Top Overlay "12X12" at 110.484,-51.613 h1 r270
L5: Top Overlay "12X12" at 124.15,-78.043 h1 r270
L6: Top Overlay "12X12" at 110.484,-78.043 h1 r270
L7: Top Overlay "12X12" at 124.15,-95.384 h1 r270
L8: Top Overlay "12X12" at 110.484,-95.384 h1 r270
L9: Top Overlay "12X12" at 124.15,-112.725 h1 r270
L10: Top Overlay "12X12" at 110.484,-112.725 h1 r270
SW1: Top Overlay "ON" at -60.147,-105.918 h1.52
SW2: Top Overlay "ON" at -87.503,-19.228 h1.52
U18: Top Overlay "VCC" at -79.315,-5.512 h0.76 r270; Top Overlay "D -" at -81.779,-5.512 h0.76 r270; Top Overlay "D +" at -83.811,-5.512 h0.76 r270; Top Overlay "GND" at -86.326,-5.512 h0.76 r270